# KiCad board HVC-CPU-07.kicad_pcb
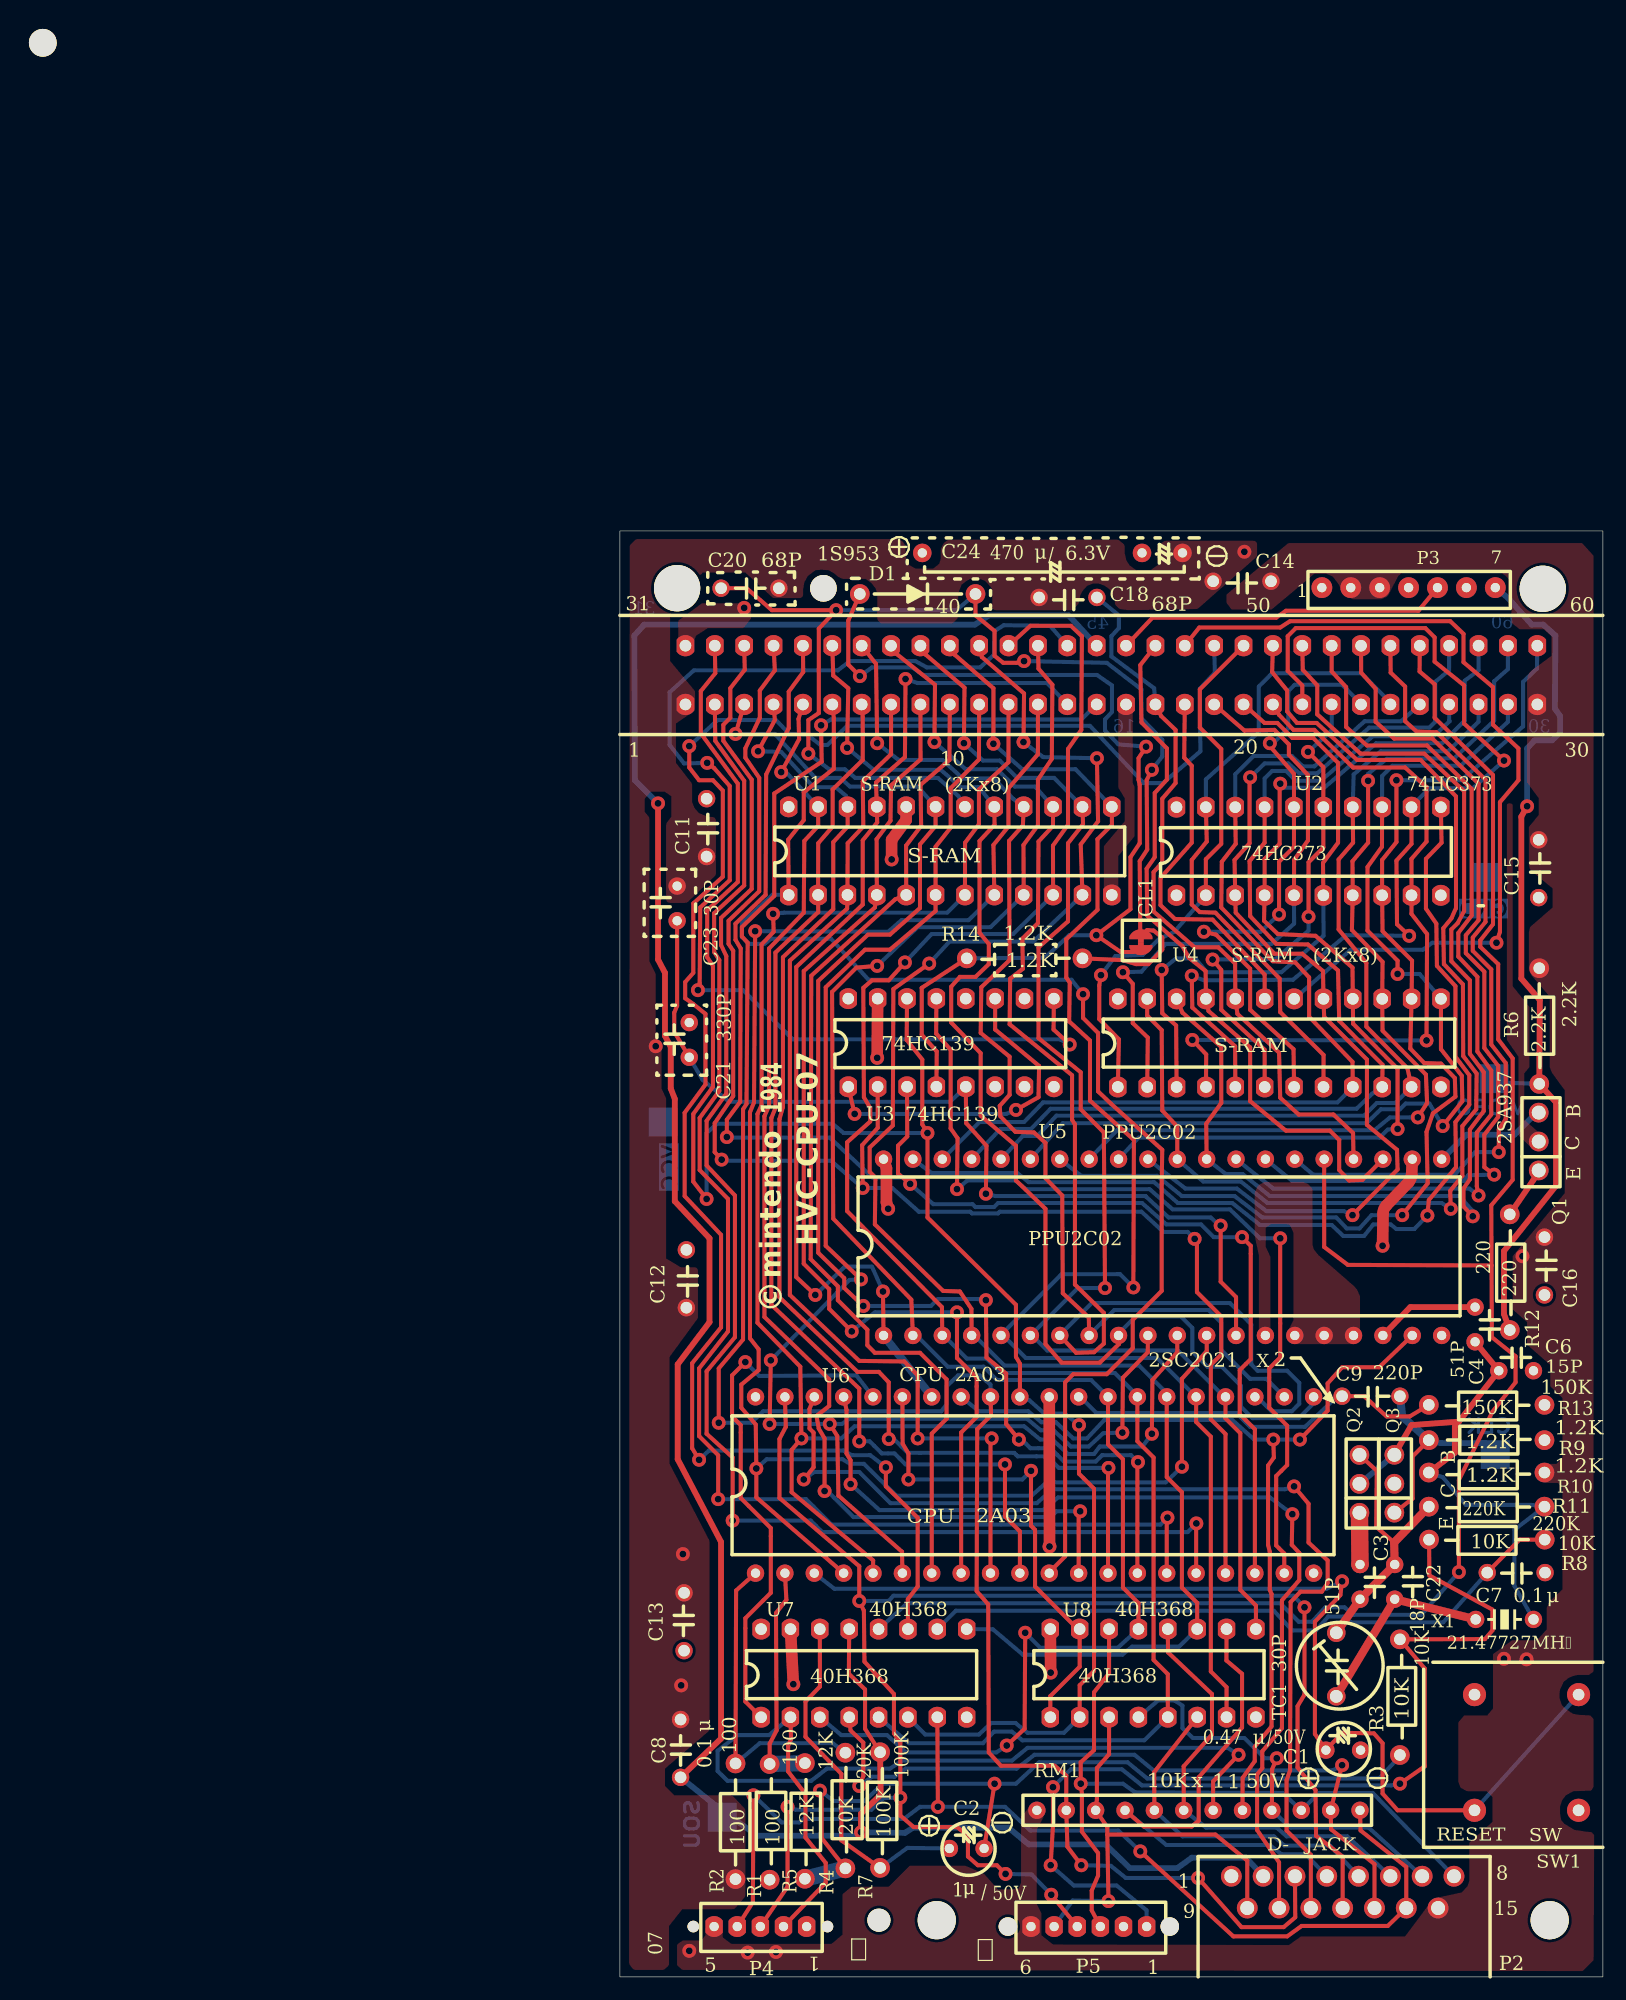
[diagram p0: board, top side]
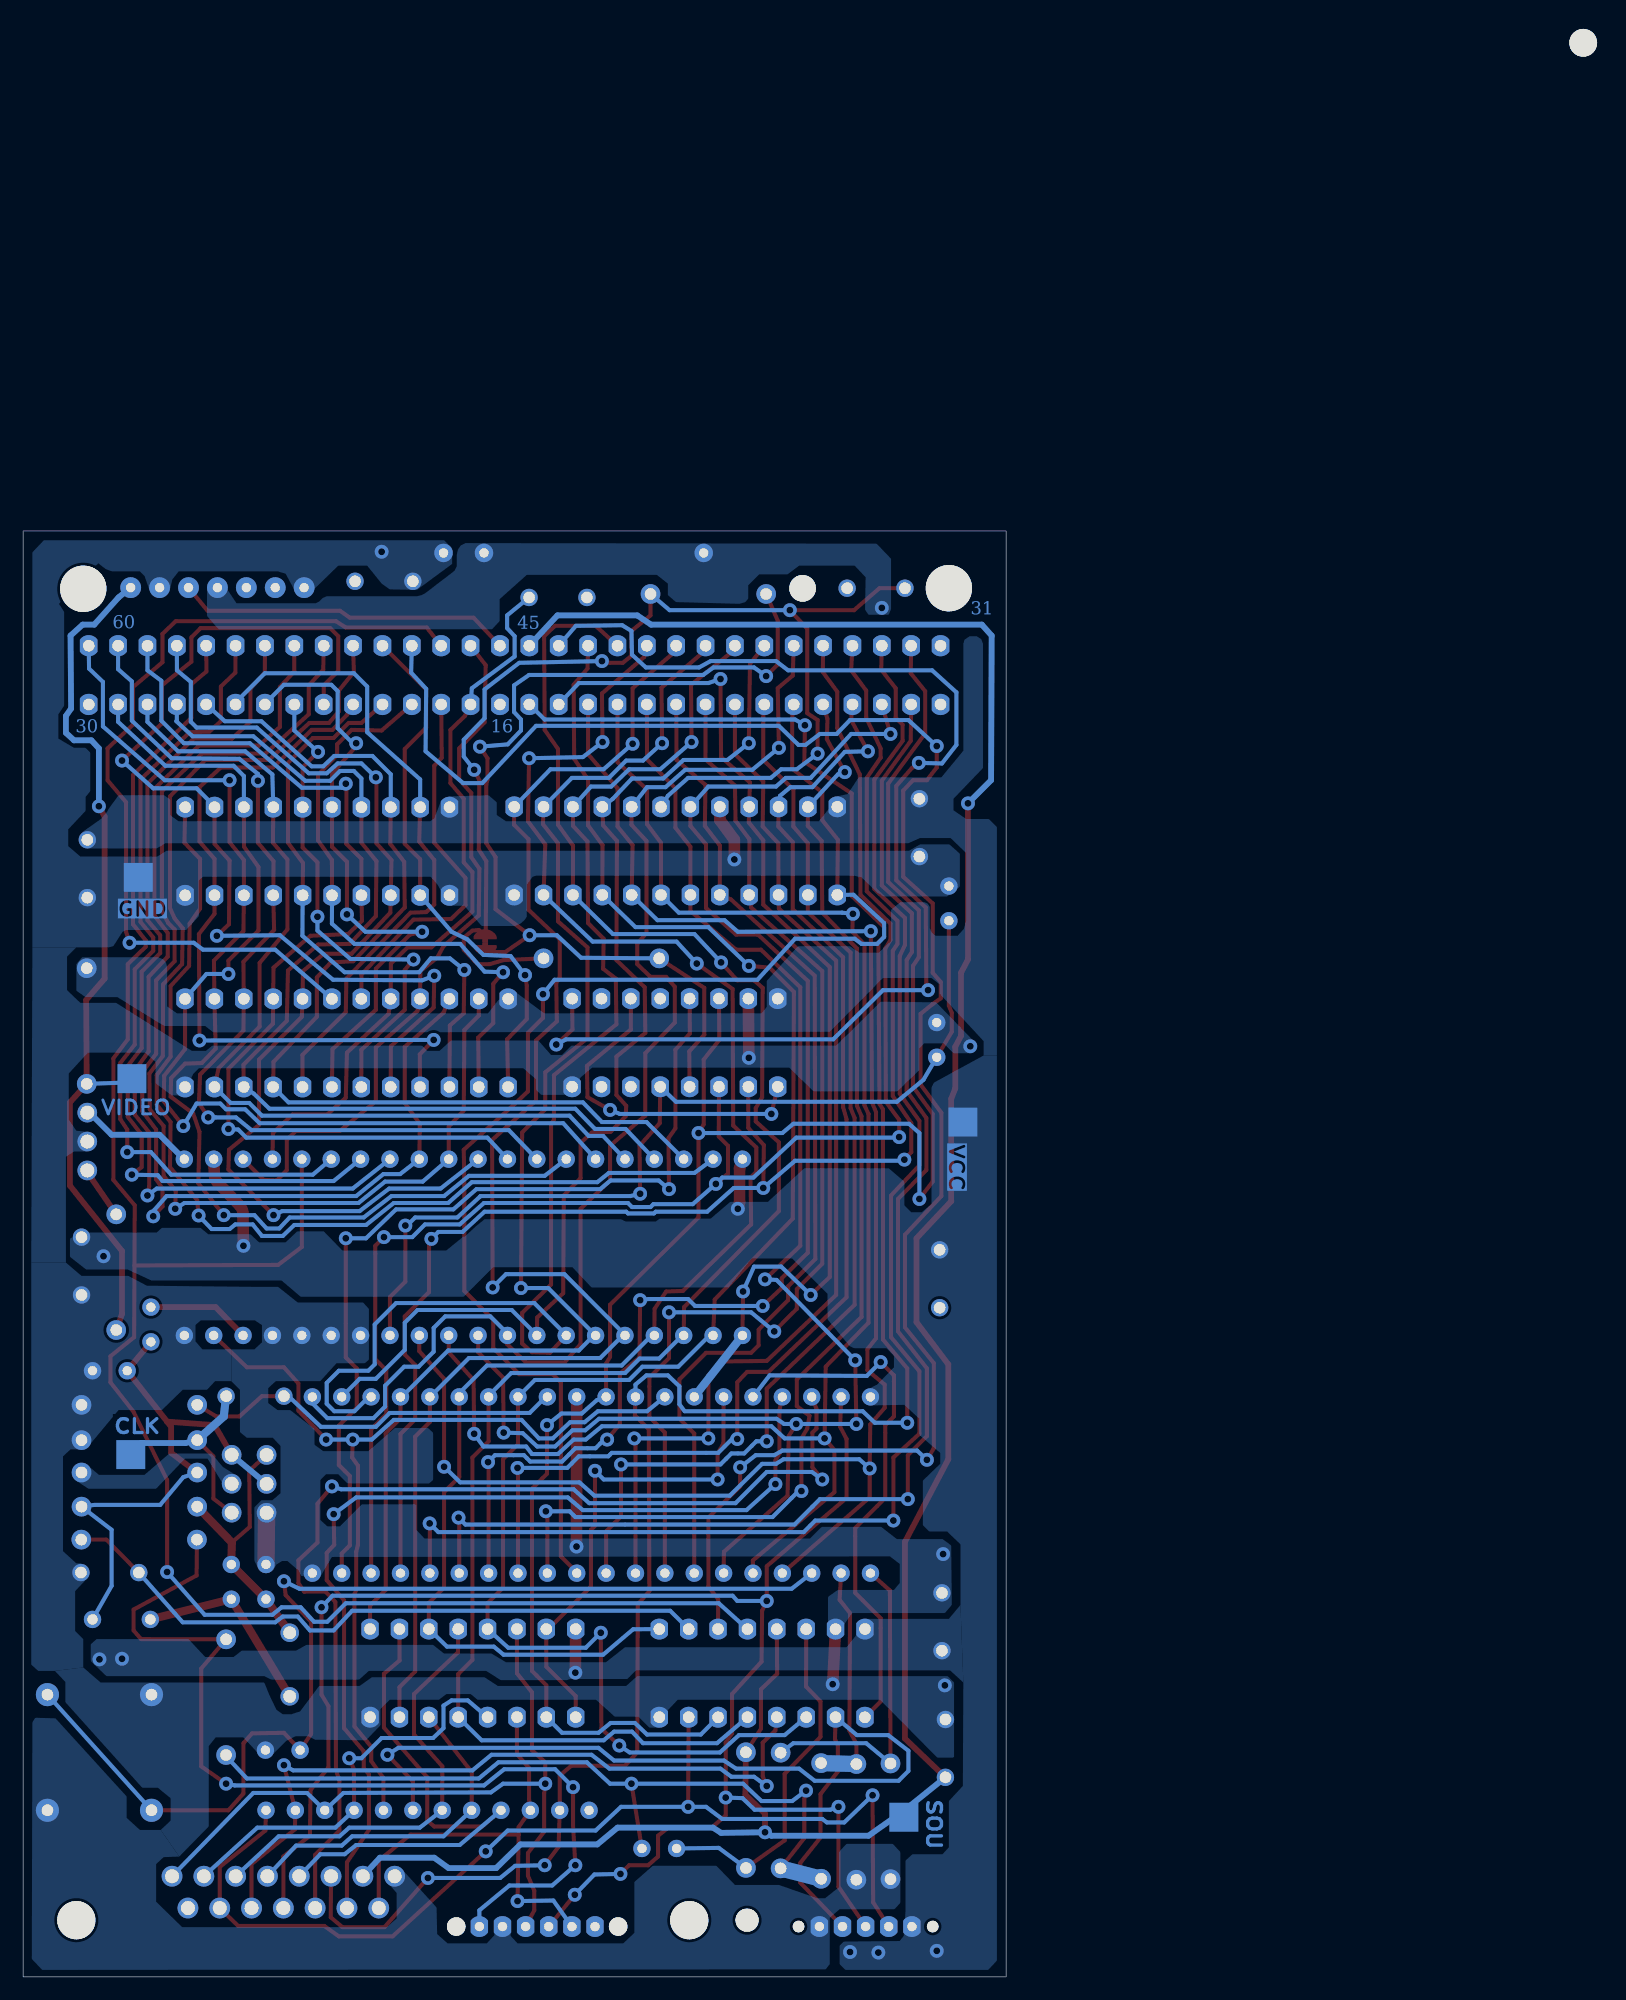
[diagram p1: board, bottom side, seen from below]

Outline 85 x 125 mm; copper layers: Top, Bottom. Coordinates in mm from the lower left corner of the outline.
Outline path: rectangle 0,125 85,0

## Placement (name value [footprint] x y rotation side)
C1  470n  [CP_Radial_D5.0mm_P3.00mm]  61.05 19.6 0 top
C2  1u  [CP_Radial_D5.0mm_P3.00mm]  28.49 11.1 0 top
C3  51p  [C_Disc_NoSilk_D3.0mm_W2.0mm_P3.0mm]  64 32.65 90 top
C4  51p  [C_Disc_NoSilk_D3.0mm_W2.0mm_P3.0mm]  73.95 57.9 270 top
C6  15p  [C_Disc_NoSilk_D3.0mm_W2.0mm_P3.0mm]  79 52.4 180 top
C7  100n  [C_Disc_NoSilk_D3.0mm_W2.0mm_P5.0mm]  75 34.95 0 top
C8  100n  [C_Disc_NoSilk_D3.0mm_W2.0mm_P5.0mm]  5.25 17.25 90 top
C9  220p  [C_Disc_NoSilk_D3.0mm_W2.0mm_P5.0mm]  62.45 50.2 0 top
C11  10n  [C_Disc_NoSilk_D3.0mm_W2.0mm_P5.0mm]  7.5 96.85 90 top
C12  10n  [C_Disc_NoSilk_D3.0mm_W2.0mm_P5.0mm]  5.75 57.85 90 top
C13  10n  [C_Disc_NoSilk_D3.0mm_W2.0mm_P5.0mm]  5.55 33.2 270 top
C14  10n  [C_Disc_NoSilk_D3.0mm_W2.0mm_P5.0mm]  51.3 120.65 0 top
C15  10n  [C_Disc_NoSilk_D3.0mm_W2.0mm_P5.0mm]  79.45 93.3 90 top
C16  10n  [C_Disc_NoSilk_D3.0mm_W2.0mm_P5.0mm]  79.95 58.95 90 top
C18  68p  [C_Disc_NoSilk_D3.0mm_W2.0mm_P5.0mm]  41.25 119.25 180 top
C20  68p  [C_Disc_NoSilk_D3.0mm_W2.0mm_P5.0mm]  8.75 120.05 0 top
C21  330p  [C_Disc_NoSilk_D3.0mm_W2.0mm_P3.0mm]  6 79.5 90 top  (not fitted)
C22  18p  [C_Disc_NoSilk_D3.0mm_W2.0mm_P3.0mm]  67 32.65 90 top
C23  30p  [C_Disc_NoSilk_D3.0mm_W2.0mm_P3.0mm]  4.95 91.3 90 top  (not fitted)
C24  470u/6.3V  [CP_axial_P22.50_P3.50]  26.15 123.1 0 top
D1  1S953  [R_Axial_NoSilk_DIN0207_L6.3mm_D2.5mm_P10.16mm_Horizontal]  30.75 119.55 180 top  (not fitted)
H1  Top Left  [npth_mounting_4x5mm_nopad]  4.95 120.05 0 top
H2  Top Right  [npth_mounting_4x5mm_nopad]  79.8 120 0 top
H3  Bottom Left  [npth_mounting_3.3x5mm_nopad]  27.4 4.9 0 top
H4  Bottom Right  [npth_mounting_3.3x5mm_nopad]  80.4 4.9 0 top
H5  Alignment  [npth_mounting_2x4mm_nopad]  22.4 4.9 0 top
H6  Cart Alignment  [npth_mounting_2.3x3.4mm_nopad]  -49.9 167.2 0 top
JP1  CL1  [jumper_2_bridged]  45.05 89.45 180 top
P1  CARTRIDGE SLOT  [Famicom_2x30_cartridge_connector]  42.5 112.54 0 top
P2  EXPANSION  [connector_aux_15p]  62.5 8.7 0 top
P3  RF MODULATOR  [connector_P3_7pin]  60.7 120.1 0 top
P4  CONTROLLER 1  [connector_2mm_5pin]  12.15 4.35 180 top
P5  CONTROLLER 2  [connector_2mm_6pin]  40.55 4.35 180 top
Q1  2SA937  [PACKAGE_TRANSISTOR_FTR]  79.45 69.71 90 top
Q2  2SC2021  [PACKAGE_TRANSISTOR_FTR]  63.95 40.12 90 top
Q3  2SC2021  [PACKAGE_TRANSISTOR_FTR]  66.97 40.13 90 top
R1  100  [R_Axial_NoSilk_DIN0207_L6.3mm_D2.5mm_P10.16mm_Horizontal]  12.95 18.4 270 top
R2  100  [R_Axial_NoSilk_DIN0207_L6.3mm_D2.5mm_P10.16mm_Horizontal]  10 18.45 270 top
R3  10k  [R_Axial_NoSilk_DIN0207_L6.3mm_D2.5mm_P10.16mm_Horizontal]  67.45 29.18 270 top
R4  20k  [R_Axial_NoSilk_DIN0207_L6.3mm_D2.5mm_P10.16mm_Horizontal]  19.5 19.38 270 top
R5  12k  [R_Axial_NoSilk_DIN0207_L6.3mm_D2.5mm_P10.16mm_Horizontal]  16 18.48 270 top
R6  2.2K  [R_Axial_NoSilk_DIN0207_L6.3mm_D2.5mm_P10.16mm_Horizontal]  79.5 87.2 270 top
R7  100K  [R_Axial_NoSilk_DIN0207_L6.3mm_D2.5mm_P10.16mm_Horizontal]  22.5 9.42 90 top
R8  10K  [R_Axial_NoSilk_DIN0207_L6.3mm_D2.5mm_P10.16mm_Horizontal]  69.97 37.8 0 top
R9  1.2K  [R_Axial_NoSilk_DIN0207_L6.3mm_D2.5mm_P10.16mm_Horizontal]  69.95 46.4 0 top
R10  1.2K  [R_Axial_NoSilk_DIN0207_L6.3mm_D2.5mm_P10.16mm_Horizontal]  69.95 43.6 0 top
R11  220K  [R_Axial_NoSilk_DIN0207_L6.3mm_D2.5mm_P10.16mm_Horizontal]  69.95 40.65 0 top
R12  220  [R_Axial_NoSilk_DIN0207_L6.3mm_D2.5mm_P10.16mm_Horizontal]  76.95 55.92 90 top
R13  150K  [R_Axial_NoSilk_DIN0207_L6.3mm_D2.5mm_P10.16mm_Horizontal]  69.95 49.45 0 top
R14  1.2K  [R_Axial_NoSilk_DIN0207_L6.3mm_D2.5mm_P10.16mm_Horizontal]  30 88.05 0 top  (not fitted)
RM1  10K  [R_Array_SIP12]  36.06 14.4 0 top
SW1  RESET  [switch_reset_9x10_4pin]  78.4 19.4 0 top
TC1  30p  [Capacitor_trimmer]  61.95 27 90 top
TP1  VCC  [test_pad]  3.74 73.9 180 bottom
TP2  GND  [test_pad]  75.04 95.05 180 bottom
TP3  CLK  [test_pad]  75.69 45.15 180 bottom
TP4  VIDEO  [test_pad]  75.59 77.65 180 bottom
TP5  SOU  [test_pad]  8.84 13.8 180 bottom
U1  TMM2115BP-15  [DIP-24_W7.62mm]  14.6 93.53 90 top
U2  HD74LS373P  [DIP-20_W7.62mm]  48.13 93.5 90 top
U3  SN74LS139N  [DIP-16_W7.62mm]  19.75 76.95 90 top
U4  TMM2115BP-15  [DIP-24_W7.62mm]  43.06 76.93 90 top
U5  RP2C02E  [DIP-40_W15.24mm]  22.8 55.45 90 top
U6  RP2A03E  [DIP-40_W15.24mm]  11.73 34.9 90 top
U7  TC40H368P  [DIP-16_W7.62mm]  12.21 22.44 90 top
U8  TC40H368P  [DIP-16_W7.62mm]  37.22 22.45 90 top
X1  21.47727MHƵ  [crystal]  74 30.9 0 top

## Library data of the parts
C1 C2 C24 = -: Description: Polarized capacitor; ki_fp_filters: CP_*
C3 C4 C6-C9 C11-C16 C18 C20-C23 = -: Description: Unpolarized capacitor; ki_fp_filters: C_*
D1 = -: Description: Diode; Sim.Device: D; Sim.Pins: 1=K 2=A; ki_fp_filters: TO-???* *_Diode_* *SingleDiode* D_*
H1-H6 = -: Description: Mounting Hole without connection; ki_fp_filters: MountingHole*
JP1 = -: Description: Solder Jumper, 2-pole, closed/bridged; ki_fp_filters: SolderJumper*Bridged*
P2 = -: Description: 15-pin D-SUB connector, pins (male) (low-density/2 columns); ki_fp_filters: DSUB*Pins*
Q1 = -: Datasheet: kicad-embed://2SA937.PDF; Description: PNP transistor, emitter/collector/base; Sim.Device: PNP; Sim.Type: GUMMELPOON; Sim.Pins: 1=C 2=B 3=E
Q2 Q3 = -: Datasheet: kicad-embed://2SC2021.pdf; Description: NPN transistor, emitter/collector/base; Sim.Device: NPN; Sim.Type: GUMMELPOON; Sim.Pins: 1=C 2=B 3=E
R1-R14 = -: Description: Resistor; ki_fp_filters: R_*
RM1 = -: Datasheet: http://www.vishay.com/docs/31509/csc.pdf; Description: 11 resistor network, star topology, bussed resistors, split; ki_fp_filters: R?Array?SIP*
SW1 = -: Description: Push button switch, generic, symbol, four pins
TC1 = -: Description: Trimmable capacitor
TP1-TP5 = -: Description: test point; ki_fp_filters: Pin* Test*
U2 = -: Datasheet: kicad-embed://74LS373.pdf; Description: 8-bit Latch, 3-state outputs
U3 = -: Datasheet: kicad-embed://74LS139.pdf; Description: Dual Decoder 1 of 4, Active low outputs
U5 U6 = -: Datasheet: https://github.com/emu-russia/breaks
U7 U8 = -: Datasheet: kicad-embed://74LS368.pdf; Description: Hex Bus Driver inverter, 3-state outputs
X1 = -: Description: Two pin crystal; ki_fp_filters: Crystal*

## Footprints (pads in the part's own frame, mm; a bottom-side part is the same pattern mirrored in y, then rotated)
C_Disc_NoSilk_D3.0mm_W2.0mm_P3.0mm
  round 1.5 hole 0.8: 1(0,0) 2(3,0)
C_Disc_NoSilk_D3.0mm_W2.0mm_P5.0mm
  round 1.5 hole 1: 1(0,0) 2(5,0)
Capacitor_trimmer
  round 1.6 hole 1.1: 1(-2.75,0) 2(2.75,0)
connector_2mm_5pin
  round 2 hole 1 unplated: (-5.8,0) (5.8,0)
  custom 1.5x1.803 hole 0.8: 1(-4,0) 2(-2,0) 3(0,0) 4(2,0) 5(4,0)
connector_2mm_6pin
  round 2.4 hole 1.6 unplated: (-7,0) (7,0)
  custom 1.5x1.803 hole 0.8: 1(-5,0) 2(-3,0) 3(-1,0) 4(1,0) 5(3,0) 6(5,0)
connector_aux_15p
  round 1.8 hole 1.2: 1(-9.625,0) 2(-6.875,0) 3(-4.125,0) 4(-1.375,0) 5(1.375,0) 6(4.125,0) 7(6.875,0) 8(9.625,0) 9(-8.25,-2.75) 10(-5.5,-2.75) 11(-2.75,-2.75) 12(0,-2.75) 13(2.75,-2.75) 14(5.5,-2.75) 15(8.25,-2.75)
connector_P3_7pin
  round 1.8 hole 0.8: 1(0,0) 2(2.5,0) 3(5,0) 4(7.5,0) 5(10,0) 6(12.5,0) 7(15,0)
CP_axial_P22.50_P3.50
  round 1.6 hole 0.8: 1(0,0) 1(19,0) 2(22.5,0)
CP_Radial_D5.0mm_P3.00mm
  round 1.5 hole 0.8: 1(0,0) 2(3,0)
crystal
  round 1.5 hole 0.9: 1(0,0) 2(5,0)
DIP-16_W7.62mm
  custom 1.803x1.5 hole 1: 1(0,0) 2(0,-2.54) 3(0,-5.08) 4(0,-7.62) 5(0,-10.16) 6(0,-12.7) 7(0,-15.24) 8(0,-17.78) 9(7.62,-17.78) 10(7.62,-15.24) 11(7.62,-12.7) 12(7.62,-10.16) 13(7.62,-7.62) 14(7.62,-5.08) 15(7.62,-2.54) 16(7.62,0)
DIP-20_W7.62mm
  custom 1.803x1.5 hole 1: 1(0,0) 2(0,-2.54) 3(0,-5.08) 4(0,-7.62) 5(0,-10.16) 6(0,-12.7) 7(0,-15.24) 8(0,-17.78) 9(0,-20.32) 10(0,-22.86) 11(7.62,-22.86) 12(7.62,-20.32) 13(7.62,-17.78) 14(7.62,-15.24) 15(7.62,-12.7) 16(7.62,-10.16) 17(7.62,-7.62) 18(7.62,-5.08) 19(7.62,-2.54) 20(7.62,0)
DIP-24_W7.62mm
  custom 1.803x1.5 hole 1: 1(0,0) 2(0,-2.54) 3(0,-5.08) 4(0,-7.62) 5(0,-10.16) 6(0,-12.7) 7(0,-15.24) 8(0,-17.78) 9(0,-20.32) 10(0,-22.86) 11(0,-25.4) 12(0,-27.94) 13(7.62,-27.94) 14(7.62,-25.4) 15(7.62,-22.86) 16(7.62,-20.32) 17(7.62,-17.78) 18(7.62,-15.24) 19(7.62,-12.7) 20(7.62,-10.16) 21(7.62,-7.62) 22(7.62,-5.08) 23(7.62,-2.54) 24(7.62,0)
DIP-40_W15.24mm
  round 1.5 hole 0.8: 1(0,0) 2(0,-2.54) 3(0,-5.08) 4(0,-7.62) 5(0,-10.16) 6(0,-12.7) 7(0,-15.24) 8(0,-17.78) 9(0,-20.32) 10(0,-22.86) 11(0,-25.4) 12(0,-27.94) 13(0,-30.48) 14(0,-33.02) 15(0,-35.56) 16(0,-38.1) 17(0,-40.64) 18(0,-43.18) 19(0,-45.72) 20(0,-48.26) 21(15.24,-48.26) 22(15.24,-45.72) 23(15.24,-43.18) 24(15.24,-40.64) 25(15.24,-38.1) 26(15.24,-35.56) 27(15.24,-33.02) 28(15.24,-30.48) 29(15.24,-27.94) 30(15.24,-25.4) 31(15.24,-22.86) 32(15.24,-20.32) 33(15.24,-17.78) 34(15.24,-15.24) 35(15.24,-12.7) 36(15.24,-10.16) 37(15.24,-7.62) 38(15.24,-5.08) 39(15.24,-2.54) 40(15.24,0)
Famicom_2x30_cartridge_connector
  round 3.4 hole 2.3 unplated: (-24.9,7.5)
  custom 1.524x1.832 hole 1: 1(-36.83,-2.54) 2(-34.29,-2.54) 3(-31.75,-2.54) 4(-29.21,-2.54) 5(-26.67,-2.54) 6(-24.13,-2.54) 7(-21.59,-2.54) 8(-19.05,-2.54) 9(-16.51,-2.54) 10(-13.97,-2.54) 11(-11.43,-2.54) 12(-8.89,-2.54) 13(-6.35,-2.54) 14(-3.81,-2.54) 15(-1.27,-2.54) 16(1.27,-2.54) 17(3.81,-2.54) 18(6.35,-2.54) 19(8.89,-2.54) 20(11.43,-2.54) 21(13.97,-2.54) 22(16.51,-2.54) 23(19.05,-2.54) 24(21.59,-2.54) 25(24.13,-2.54) 26(26.67,-2.54) 27(29.21,-2.54) 28(31.75,-2.54) 29(34.29,-2.54) 30(36.83,-2.54) 31(-36.83,2.54) 32(-34.29,2.54) 33(-31.75,2.54) 34(-29.21,2.54) 35(-26.67,2.54) 36(-24.13,2.54) 37(-21.59,2.54) 38(-19.05,2.54) 39(-16.51,2.54) 40(-13.97,2.54) 41(-11.43,2.54) 42(-8.89,2.54) 43(-6.35,2.54) 44(-3.81,2.54) 45(-1.27,2.54) 46(1.27,2.54) 47(3.81,2.54) 48(6.35,2.54) 49(8.89,2.54) 50(11.43,2.54) 51(13.97,2.54) 52(16.51,2.54) 53(19.05,2.54) 54(21.59,2.54) 55(24.13,2.54) 56(26.67,2.54) 57(29.21,2.54) 58(31.75,2.54) 59(34.29,2.54) 60(36.83,2.54)
jumper_2_bridged
  custom 2x1.118 smd: 1(0,0.5) 2(0,-0.5)
npth_mounting_2.3x3.4mm_nopad
  round 3.4 hole 2.4 unplated: (0,0)
npth_mounting_2x4mm_nopad
  round 4 hole 2 unplated: (0,0)
npth_mounting_3.3x5mm_nopad
  round 5 hole 3.3 unplated: (0,0)
npth_mounting_4x5mm_nopad
  round 5 hole 4 unplated: (0,0)
PACKAGE_TRANSISTOR_FTR
  round 1.7 hole 1.2: 1(0,0) 2(2.5,0) 3(5,0)
R_Array_SIP12
  round 1.5 hole 0.8: 1(0,0) 2(2.54,0) 3(5.08,0) 4(7.62,0) 5(10.16,0) 6(12.7,0) 7(15.24,0) 8(17.78,0) 9(20.32,0) 10(22.86,0) 11(25.4,0) 12(27.94,0)
R_Axial_NoSilk_DIN0207_L6.3mm_D2.5mm_P10.16mm_Horizontal
  round 1.7 hole 1: 1(0,0) 2(10,0)
switch_reset_9x10_4pin
  round 2 hole 1: 1(-4.5,5) 2(4.5,5) 3(-4.5,-5) 4(4.5,-5)
test_pad
  rect 2.5x2.5 smd: 1(0,0)

## Nets
+5V: C11.2 C12.2 C13.2 C14.2 C15.2 C16.2 P1.30 P2.15 P3.2 P3.3 P4.5 P5.6 Q3.2 R6.1 R10.2 RM1.1 TP1.1 U1.24 U2.20 U3.16 U4.24 U5.22 U5.40 U6.40 U7.16 U8.16
+5VA: C24.1 P1.31 P3.4
GND: C1.2 C3.2 C6.1 C7.2 C8.2 C11.1 C12.1 C13.1 C14.1 C15.1 C16.1 C18.2 C20.2 C21.2 C23.2 C24.2 P1.1 P1.16 P2.1 P3.1 P3.6 P4.1 P5.2 Q1.2 Q2.1 R1.2 R2.2 R9.2 R13.2 SW1.1 SW1.4 TP2.1 U1.12 U1.20 U2.1 U2.10 U3.8 U3.15 U4.12 U5.14 U5.15 U5.16 U5.17 U5.20 U6.20 U6.30 U7.8 U7.15 U8.8
/$0000..1FFF_~{CS}: C20.1 D1.1 D1.2 JP1.1 JP1.2 R14.1 R14.2 U1.18 U3.4
/$2000..3FFF_~{CS}: C21.1 C23.1 U3.5 U5.13
/$8000..FFFF_~{CS}: P1.44 U3.9
/A0: P1.13 U1.8 U5.12 U6.4
/A1: P1.12 U1.7 U5.11 U6.5
/A2: P1.11 U1.6 U5.10 U6.6
/A3: P1.10 U1.5 U6.7
/A4: P1.9 U1.4 U6.8
/A5: P1.8 U1.3 U6.9
/A6: P1.7 U1.2 U6.10
/A7: P1.6 U1.1 U6.11
/A8: P1.5 U1.23 U6.12
/A9: P1.4 U1.22 U6.13
/A10: P1.3 U1.19 U6.14
/A11: P1.2 U6.15
/A12: P1.33 U6.16
/A13: P1.34 U3.2 U6.17
/A14: P1.35 U3.3 U6.18
/A15: U3.13 U6.19
/ALE: U2.11 U5.39
/Audio and Video/AUX_SND: C2.1 R7.1 U7.14
/Controllers/4016_CUP: P2.14 P4.4 RM1.12 U7.7
/Controllers/4016_D0: P4.2 RM1.7 U7.2
/Controllers/4016_D1: P2.13 RM1.11 U7.4
/Controllers/4016_D2: C7.1 R8.2 U7.10
/Controllers/4017_CUP: P2.9 P5.5 RM1.3 U8.3
/Controllers/4017_D0: P2.8 P5.3 RM1.10 U8.14
/Controllers/4017_D1: P2.7 RM1.9 U8.4
/Controllers/4017_D2: P2.6 RM1.6 U8.12
/Controllers/4017_D3: P2.5 RM1.5 U8.6
/Controllers/4017_D4: P2.4 RM1.4 U8.10
/CPU_CLK: C9.1 R13.1 U6.29
/CPU_SND1: R2.1 R4.1 U6.1
/CPU_SND2: R1.1 R5.1 U6.2
/D0: P1.43 U1.9 U5.2 U6.28 U7.3 U8.13
/D1: P1.42 U1.10 U5.3 U6.27 U7.5 U8.5
/D2: P1.41 U1.11 U5.4 U6.26 U7.9 U8.11
/D3: P1.40 U1.13 U5.5 U6.25 U8.7
/D4: P1.39 U1.14 U5.6 U6.24 U8.9
/D5: P1.38 U1.15 U5.7 U6.23
/D6: P1.37 U1.16 U5.8 U6.22
/D7: P1.36 U1.17 U5.9 U6.21
/MIC: P5.1 R3.1 R8.1
/OUT0: P2.12 P4.3 P5.4 U6.39
/OUT1: P2.11 U6.38
/OUT2: P2.10 U6.37
/PA0: P1.25 U2.19 U4.8
/PA1: P1.24 U2.16 U4.7
/PA2: P1.23 U2.15 U4.6
/PA3: P1.22 U2.12 U4.5
/PA4: P1.21 U2.9 U4.4
/PA5: P1.20 U2.6 U4.3
/PA6: P1.19 U2.5 U4.2
/PA7: P1.50 U2.2 U4.1
/PA8: P1.51 U4.23 U5.30
/PA9: P1.52 U4.22 U5.29
/PA10: P1.53 U5.28
/PA11: P1.54 U5.27
/PA12: P1.55 U5.26
/PA13: P1.56 U5.25 U7.12
/PD0: P1.26 U2.18 U4.9 U5.38
/PD1: P1.27 U2.17 U4.10 U5.37
/PD2: P1.28 U2.14 U4.11 U5.36
/PD3: P1.29 U2.13 U4.13 U5.35
/PD4: P1.60 U2.8 U4.14 U5.34
/PD5: P1.59 U2.7 U4.15 U5.33
/PD6: P1.58 U2.4 U4.16 U5.32
/PD7: P1.57 U2.3 U4.17 U5.31
/PPU_CLK: C4.1 U5.18
/PPU_VIDEO: Q1.3 U5.21
/R/~{W}: P1.14 U1.21 U5.1 U6.34
/RF_AUDIO: P1.46 P3.5
/RF_VIDEO: P3.7 R6.2 R12.1 TP4.1
/SOUND: C8.1 P1.45 P2.2 R7.2 TP5.1 U7.13
/VA10: P1.18 U4.19
/~{INP0}: U6.36 U7.1
/~{INP1}: U6.35 U8.1 U8.15
/~{IRQ}: P1.15 P2.3 RM1.2 U6.32
/~{NMI}: RM1.8 U5.19 U6.33
/~{PA13}: P1.49 U7.11
/~{PR}: C18.1 P1.17 U4.20 U5.24
/~{PW}: P1.47 U4.21 U5.23
/~{RST}: C1.1 SW1.2 SW1.3 U6.3
/~{VCS}: P1.48 U4.18
/Φ2: P1.32 U3.14 U6.31 U7.6 U8.2
Net-(C2-Pad2): C2.2 R3.2 R4.2 R5.2
Net-(C22-Pad1): C22.1 TC1.1 X1.1
Net-(Q1-E): Q1.1 R12.2
Net-(Q2-B): C3.1 C22.2 Q2.3 R11.1 TC1.2
Net-(Q2-C): C4.2 C6.2 Q2.2 Q3.3 R10.1 R11.2 X1.2
Net-(Q3-E): C9.2 Q3.1 R9.1 TP3.1
Net-(U3A-~{E}): U3.1 U3.11

Pads without a net: U3 6 7 10 12

## Via types
v1: diameter 1.2, hole 0.6, Top to Bottom, 165 vias

## Routing (per net, layer and track width the routed paths; a pad name or vN(x,y) marks a point on that pad's centre or on a via; arc(x,y) is an arc through that point)
+5V: length 16.5
  Top w1: U5.40 23.05,69.9 23.05,66.95 v1(23.2,66.4) ; v1(65.95,63.2) 65.99,66.01 arc(66.07,66.37) 66.27,66.68 68.19,68.68 arc(68.39,68.98) 68.47,69.33 U5.22 ; U8.16 v1(37.25,26.3)
  vias: v1(6,2.25) v1(11.05,2.1) v1(13.5,2.15) v1(76.45,27.5) v1(78.05,62.3) v1(78.4,27.45)
+5VA:
  vias: v1(10.75,118.35)
GND: length 32.3
  Top w1: U6.30 v1(37.15,37.2) ; U7.15 v1(15,25.3) ; U1.20 24.75,100 23.5,98.3 v1(23.5,96.6) ; U3.15 v1(22.25,79.45)
  Top w1.5: C3.2 Q2.1
  vias: v1(3.1,80.45) v1(5.3,25.2) v1(5.45,36.55) v1(54,123.2)
/$0000..1FFF_~{CS}: length 192.1
  Top w0.35: C20.1 10.95,120.05 13.15,118.15 v1(18.7,118.15) 17.2,116.55 17.2,109.25 16.3,108.65 v1(16.3,105.75) ; v1(34.95,113.75) 34.3,113.6 33.15,113.6 32.4,114.2 32.4,116.35 30.75,117.7 D1.1 ; U3.4 27.4,80 26.1,81.45 26.1,85.5 R14.1 ; v1(20.75,112.45) 19.75,113.45 19.75,117.25 D1.2 ; v1(46,104.35) 45.55,103.45 45.6,97.45 44.95,96.45 45,90 45.6,90.5 46.15,90.45 46.9,89.85 46.9,88.8 45.7,87.55 44.65,87.55 43.45,87.9 R14.2 ; 45,89 44.4,88.6 43.3,88.6 v1(41.2,90.05) 44.15,92.3 44.15,96.8 44.95,98 44.95,103.05 44.85,103.5 44.85,105.35 v1(45.5,106.35)
  Bottom w0.35: v1(20.75,112.45) 21.8,113.2 25.3,113.2 26.2,112.55 41.25,112.55 42.55,111.65 42.55,109.35 41.95,108.7 41.95,107.75 43.1,106.55 v1(45.5,106.35) ; v1(18.7,118.15) 29.1,118.15 D1.1 ; v1(16.3,105.75) 18.1,104.4 19.45,104.4 20.35,103.65 27.5,103.65 29.25,102.1 U1.18 ; R14.1 36.75,88.1 38.85,90.05 v1(41.2,90.05) ; v1(34.95,113.75) 42.1,113.6 45.1,111.3 45.1,108.8 46.9,106.95 46.9,105.5 v1(46,104.35)
/$2000..3FFF_~{CS}: length 79.7
  Top w0.35: U3.5 29.95,73.8 31.7,71.85 v1(31.65,67.7) ; C21.1 4.7,81.7 4.7,83.35 4.95,83.95 C23.1 ; v1(51.95,64.95) 51.95,60.1 53.28,58.77 U5.13
  Bottom w0.35: U3.5 28.55,75.65 9.45,75.65 7.15,77.55 C21.1 ; v1(31.65,67.7) 32.5,67.5 45.45,67.5 45.5,67.45 47.45,65.65 51.1,65.65 51.8,64.95 v1(51.95,64.95)
/$8000..FFFF_~{CS}: length 107.7
  Top w0.35: v1(6.75,85.3) 6.9,85.9 6.95,92.45 9.5,94.8 9.5,102.95 8.15,104.5 v1(7.55,104.95) ; U3.9 37.5,81.9 v1(38.9,80.6)
  Bottom w0.35: v1(6.75,85.3) 10.65,85.3 14.95,81.05 38.05,81.05 v1(38.9,80.6) ; v1(7.55,104.95) 5.55,104.9 4.3,106.5 4.3,111.05 6.4,112.95 18.85,112.95 19.9,113.75 25.55,113.75 26.55,113.2 31.15,113.2 32.35,114.3 32.4,116.35 33.2,116.85 37.2,116.8 P1.44
/A0: length 151.8
  Top w0.35: v1(11.7,90.4) 11.6,75.6 11.25,74.75 11.25,55.2 12,54.25 12,52.45 10.5,51.2 10.5,49.2 11.75,47.75 v1(11.8,43.95) 11.8,41.45 U6.4 ; U5.12 50.75,54.1 48.6,51.7 v1(48.6,44.1) ; P1.13 36.15,105.7 33.6,102.75 33.6,99.45 32.3,97.85 U1.8
  Bottom w0.35: v1(11.7,90.4) 23.2,90.35 24.35,91.35 30.15,91.35 U1.8 ; v1(11.8,43.95) 12.7,44.75 19.25,44.75 19.9,44.35 21.1,44.35 23.9,41.6 35.6,41.6 36.9,42.75 47.2,42.75 v1(48.6,44.1)
/A1: length 139.6
  Top w0.35: U5.11 48.2,54 46.05,51.6 v1(46,46.95) ; U1.7 29.85,98.05 31.05,99.65 31.05,102.65 33.6,105 P1.12 ; v1(13.25,91.9) 13.3,90.35 12.25,89.25 12.25,75.35 11.9,74.6 11.9,56.55 15.6,52.75 v1(15.7,46.55) 14.85,45.55 14.85,41.9 21.9,36 U6.5
  Bottom w0.35: v1(46,46.95) 45.2,45.85 41.5,45.85 41,45.2 38.75,45.2 37.4,46.45 36.35,46.45 34.95,47.6 20.3,47.6 19.15,46.55 v1(15.7,46.55) ; v1(13.25,91.9) 14.2,92 28.3,92 U1.7
/A2: length 131
  Top w0.35: v1(43.45,47.05) 43.5,51.8 45.65,54 U5.10 ; v1(18.15,47.8) 18.8,46.75 18.9,41.6 24.4,36.75 U6.6 ; P1.11 31.05,105.25 28.6,102.75 28.6,99.35 27.3,97.7 U1.6 27.3,92.15 23.35,88.8 21.2,88.8 17.8,85.55 17.8,63.2 v1(20.85,60.3) ; v1(12.95,47.8) v1(13.05,53.3)
  Bottom w0.35: v1(12.95,47.8) v1(18.15,47.8) 19.2,47.8 19.85,48.25 35.2,48.25 36.4,47.25 37.5,47.25 39,45.85 40.55,45.85 41.8,47 v1(43.45,47.05) ; v1(13.05,53.3) 19.85,60.25 v1(20.85,60.3)
/A3: length 88.2
  Top w0.35: U6.7 26.97,46.97 28.25,48.25 28.25,51.65 25.95,53.95 22.05,53.95 21.4,54.6 21.4,55.95 18.85,58.5 18.85,59.7 16.5,62.05 16.55,86.55 23.8,93.15 U1.5 24.75,97.8 26.05,99.5 26,103.05 28.5,105.2 P1.10
/A4: length 93.7
  Top w0.35: U6.8 29.51,47.06 30.85,48.4 30.85,51.8 29.15,53.5 v1(29.15,57.45) ; v1(20.05,55.8) 18.1,57.75 18.1,59.45 15.9,61.65 15.9,86.95 22.05,92.45 U1.4 22.2,98.35 23.4,99.95 23.45,103 26,105.25 P1.9
  Bottom w0.35: v1(20.05,55.8) 22.05,57.45 v1(29.15,57.45)
/A5: length 92.2
  Top w0.35: v1(32.15,46.55) 32.05,46.45 U6.9 ; v1(25.75,46.55) 25.75,52 24.6,53.2 20.7,53.25 14.7,58.95 14.7,87.85 19.65,92.35 U1.3 19.7,98 21.05,99.45 21,103.35 23.45,105.7 P1.8
  Bottom w0.35: v1(32.15,46.55) v1(25.75,46.55)
/A6: length 93.5
  Top w0.35: P1.7 21,108.9 21,105.2 18.4,102.65 18.4,99.45 17.15,98 U1.2 17.15,92.05 13.45,88.55 13.45,75.1 13.1,74.25 13.1,58.1 20.7,50.85 v1(20.7,46.3) ; v1(33.3,44.3) 33.3,39.8 34.59,38.51 U6.10
  Bottom w0.35: v1(20.7,46.3) 21.6,46.3 22.65,45.25 23.75,45.25 24.7,44.3 v1(33.3,44.3)
/A7: length 115.2
  Top w0.35: U1.1 14.55,98.3 15.9,100 15.9,102.4 18.5,104.45 18.5,108.8 P1.6 ; U6.11 37.13,34.98 38.5,36.35 38.5,51.4 39.2,52.1 42.1,52.1 44.35,54.35 44.35,56.8 46.85,59.3 46.85,68.55 46.9,71.5 42.45,75.5 41.35,76.55 41.35,81.6 40.05,82.9 v1(40.05,84.95)